# Allegro board LED_FIN.brd (continued)
## Nets (continued)
COL_OUT_C4: D12566.1(CATHODE) D12596.1(CATHODE) D12626.1(CATHODE) D12656.1(CATHODE) D12686.1(CATHODE) D12716.1(CATHODE) D12746.1(CATHODE) D12776.1(CATHODE) D12806.1(CATHODE) D12836.1(CATHODE) D12866.1(CATHODE) D12896.1(CATHODE) D12926.1(CATHODE) D12956.1(CATHODE) D12986.1(CATHODE) D13016.1(CATHODE) D13046.1(CATHODE) D13076.1(CATHODE) D13106.1(CATHODE) D13136.1(CATHODE) D13166.1(CATHODE) D13196.1(CATHODE) D13226.1(CATHODE) D13256.1(CATHODE) D13286.1(CATHODE) D13316.1(CATHODE) D13346.1(CATHODE) D13376.1(CATHODE) D13406.1(CATHODE) D13436.1(CATHODE) D13466.1(CATHODE) D13496.1(CATHODE) D13526.1(CATHODE) D13556.1(CATHODE) D13586.1(CATHODE) D13616.1(CATHODE) D13646.1(CATHODE) D13676.1(CATHODE) R356.1
COL_OUT_C5: D12565.1(CATHODE) D12595.1(CATHODE) D12625.1(CATHODE) D12655.1(CATHODE) D12685.1(CATHODE) D12715.1(CATHODE) D12745.1(CATHODE) D12775.1(CATHODE) D12805.1(CATHODE) D12835.1(CATHODE) D12865.1(CATHODE) D12895.1(CATHODE) D12925.1(CATHODE) D12955.1(CATHODE) D12985.1(CATHODE) D13015.1(CATHODE) D13045.1(CATHODE) D13075.1(CATHODE) D13105.1(CATHODE) D13135.1(CATHODE) D13165.1(CATHODE) D13195.1(CATHODE) D13225.1(CATHODE) D13255.1(CATHODE) D13285.1(CATHODE) D13315.1(CATHODE) D13345.1(CATHODE) D13375.1(CATHODE) D13405.1(CATHODE) D13435.1(CATHODE) D13465.1(CATHODE) D13495.1(CATHODE) D13525.1(CATHODE) D13555.1(CATHODE) D13585.1(CATHODE) D13615.1(CATHODE) D13645.1(CATHODE) D13675.1(CATHODE) R355.1
COL_OUT_C6: D12564.1(CATHODE) D12594.1(CATHODE) D12624.1(CATHODE) D12654.1(CATHODE) D12684.1(CATHODE) D12714.1(CATHODE) D12744.1(CATHODE) D12774.1(CATHODE) D12804.1(CATHODE) D12834.1(CATHODE) D12864.1(CATHODE) D12894.1(CATHODE) D12924.1(CATHODE) D12954.1(CATHODE) D12984.1(CATHODE) D13014.1(CATHODE) D13044.1(CATHODE) D13074.1(CATHODE) D13104.1(CATHODE) D13134.1(CATHODE) D13164.1(CATHODE) D13194.1(CATHODE) D13224.1(CATHODE) D13254.1(CATHODE) D13284.1(CATHODE) D13314.1(CATHODE) D13344.1(CATHODE) D13374.1(CATHODE) D13404.1(CATHODE) D13434.1(CATHODE) D13464.1(CATHODE) D13494.1(CATHODE) D13524.1(CATHODE) D13554.1(CATHODE) D13584.1(CATHODE) D13614.1(CATHODE) D13644.1(CATHODE) D13674.1(CATHODE) R354.1
COL_OUT_C7: D12563.1(CATHODE) D12593.1(CATHODE) D12623.1(CATHODE) D12653.1(CATHODE) D12683.1(CATHODE) D12713.1(CATHODE) D12743.1(CATHODE) D12773.1(CATHODE) D12803.1(CATHODE) D12833.1(CATHODE) D12863.1(CATHODE) D12893.1(CATHODE) D12923.1(CATHODE) D12953.1(CATHODE) D12983.1(CATHODE) D13013.1(CATHODE) D13043.1(CATHODE) D13073.1(CATHODE) D13103.1(CATHODE) D13133.1(CATHODE) D13163.1(CATHODE) D13193.1(CATHODE) D13223.1(CATHODE) D13253.1(CATHODE) D13283.1(CATHODE) D13313.1(CATHODE) D13343.1(CATHODE) D13373.1(CATHODE) D13403.1(CATHODE) D13433.1(CATHODE) D13463.1(CATHODE) D13493.1(CATHODE) D13523.1(CATHODE) D13553.1(CATHODE) D13583.1(CATHODE) D13613.1(CATHODE) D13643.1(CATHODE) D13673.1(CATHODE) R353.1
COL_OUT_C8: D12562.1(CATHODE) D12592.1(CATHODE) D12622.1(CATHODE) D12652.1(CATHODE) D12682.1(CATHODE) D12712.1(CATHODE) D12742.1(CATHODE) D12772.1(CATHODE) D12802.1(CATHODE) D12832.1(CATHODE) D12862.1(CATHODE) D12892.1(CATHODE) D12922.1(CATHODE) D12952.1(CATHODE) D12982.1(CATHODE) D13012.1(CATHODE) D13042.1(CATHODE) D13072.1(CATHODE) D13102.1(CATHODE) D13132.1(CATHODE) D13162.1(CATHODE) D13192.1(CATHODE) D13222.1(CATHODE) D13252.1(CATHODE) D13282.1(CATHODE) D13312.1(CATHODE) D13342.1(CATHODE) D13372.1(CATHODE) D13402.1(CATHODE) D13432.1(CATHODE) D13462.1(CATHODE) D13492.1(CATHODE) D13522.1(CATHODE) D13552.1(CATHODE) D13582.1(CATHODE) D13612.1(CATHODE) D13642.1(CATHODE) D13672.1(CATHODE) R352.1
COL_OUT_C9: D12561.1(CATHODE) D12591.1(CATHODE) D12621.1(CATHODE) D12651.1(CATHODE) D12681.1(CATHODE) D12711.1(CATHODE) D12741.1(CATHODE) D12771.1(CATHODE) D12801.1(CATHODE) D12831.1(CATHODE) D12861.1(CATHODE) D12891.1(CATHODE) D12921.1(CATHODE) D12951.1(CATHODE) D12981.1(CATHODE) D13011.1(CATHODE) D13041.1(CATHODE) D13071.1(CATHODE) D13101.1(CATHODE) D13131.1(CATHODE) D13161.1(CATHODE) D13191.1(CATHODE) D13221.1(CATHODE) D13251.1(CATHODE) D13281.1(CATHODE) D13311.1(CATHODE) D13341.1(CATHODE) D13371.1(CATHODE) D13401.1(CATHODE) D13431.1(CATHODE) D13461.1(CATHODE) D13491.1(CATHODE) D13521.1(CATHODE) D13551.1(CATHODE) D13581.1(CATHODE) D13611.1(CATHODE) D13641.1(CATHODE) D13671.1(CATHODE) R351.1
COL_OUT_C10: D12560.1(CATHODE) D12590.1(CATHODE) D12620.1(CATHODE) D12650.1(CATHODE) D12680.1(CATHODE) D12710.1(CATHODE) D12740.1(CATHODE) D12770.1(CATHODE) D12800.1(CATHODE) D12830.1(CATHODE) D12860.1(CATHODE) D12890.1(CATHODE) D12920.1(CATHODE) D12950.1(CATHODE) D12980.1(CATHODE) D13010.1(CATHODE) D13040.1(CATHODE) D13070.1(CATHODE) D13100.1(CATHODE) D13130.1(CATHODE) D13160.1(CATHODE) D13190.1(CATHODE) D13220.1(CATHODE) D13250.1(CATHODE) D13280.1(CATHODE) D13310.1(CATHODE) D13340.1(CATHODE) D13370.1(CATHODE) D13400.1(CATHODE) D13430.1(CATHODE) D13460.1(CATHODE) D13490.1(CATHODE) D13520.1(CATHODE) D13550.1(CATHODE) D13580.1(CATHODE) D13610.1(CATHODE) D13640.1(CATHODE) D13670.1(CATHODE) R350.1
COL_OUT_C11: D12559.1(CATHODE) D12589.1(CATHODE) D12619.1(CATHODE) D12649.1(CATHODE) D12679.1(CATHODE) D12709.1(CATHODE) D12739.1(CATHODE) D12769.1(CATHODE) D12799.1(CATHODE) D12829.1(CATHODE) D12859.1(CATHODE) D12889.1(CATHODE) D12919.1(CATHODE) D12949.1(CATHODE) D12979.1(CATHODE) D13009.1(CATHODE) D13039.1(CATHODE) D13069.1(CATHODE) D13099.1(CATHODE) D13129.1(CATHODE) D13159.1(CATHODE) D13189.1(CATHODE) D13219.1(CATHODE) D13249.1(CATHODE) D13279.1(CATHODE) D13309.1(CATHODE) D13339.1(CATHODE) D13369.1(CATHODE) D13399.1(CATHODE) D13429.1(CATHODE) D13459.1(CATHODE) D13489.1(CATHODE) D13519.1(CATHODE) D13549.1(CATHODE) D13579.1(CATHODE) D13609.1(CATHODE) D13639.1(CATHODE) D13669.1(CATHODE) R349.1
COL_OUT_C12: D12558.1(CATHODE) D12588.1(CATHODE) D12618.1(CATHODE) D12648.1(CATHODE) D12678.1(CATHODE) D12708.1(CATHODE) D12738.1(CATHODE) D12768.1(CATHODE) D12798.1(CATHODE) D12828.1(CATHODE) D12858.1(CATHODE) D12888.1(CATHODE) D12918.1(CATHODE) D12948.1(CATHODE) D12978.1(CATHODE) D13008.1(CATHODE) D13038.1(CATHODE) D13068.1(CATHODE) D13098.1(CATHODE) D13128.1(CATHODE) D13158.1(CATHODE) D13188.1(CATHODE) D13218.1(CATHODE) D13248.1(CATHODE) D13278.1(CATHODE) D13308.1(CATHODE) D13338.1(CATHODE) D13368.1(CATHODE) D13398.1(CATHODE) D13428.1(CATHODE) D13458.1(CATHODE) D13488.1(CATHODE) D13518.1(CATHODE) D13548.1(CATHODE) D13578.1(CATHODE) D13608.1(CATHODE) D13638.1(CATHODE) D13668.1(CATHODE) R348.1
COL_OUT_C13: D12557.1(CATHODE) D12587.1(CATHODE) D12617.1(CATHODE) D12647.1(CATHODE) D12677.1(CATHODE) D12707.1(CATHODE) D12737.1(CATHODE) D12767.1(CATHODE) D12797.1(CATHODE) D12827.1(CATHODE) D12857.1(CATHODE) D12887.1(CATHODE) D12917.1(CATHODE) D12947.1(CATHODE) D12977.1(CATHODE) D13007.1(CATHODE) D13037.1(CATHODE) D13067.1(CATHODE) D13097.1(CATHODE) D13127.1(CATHODE) D13157.1(CATHODE) D13187.1(CATHODE) D13217.1(CATHODE) D13247.1(CATHODE) D13277.1(CATHODE) D13307.1(CATHODE) D13337.1(CATHODE) D13367.1(CATHODE) D13397.1(CATHODE) D13427.1(CATHODE) D13457.1(CATHODE) D13487.1(CATHODE) D13517.1(CATHODE) D13547.1(CATHODE) D13577.1(CATHODE) D13607.1(CATHODE) D13637.1(CATHODE) D13667.1(CATHODE) R347.1
COL_OUT_C14: D12556.1(CATHODE) D12586.1(CATHODE) D12616.1(CATHODE) D12646.1(CATHODE) D12676.1(CATHODE) D12706.1(CATHODE) D12736.1(CATHODE) D12766.1(CATHODE) D12796.1(CATHODE) D12826.1(CATHODE) D12856.1(CATHODE) D12886.1(CATHODE) D12916.1(CATHODE) D12946.1(CATHODE) D12976.1(CATHODE) D13006.1(CATHODE) D13036.1(CATHODE) D13066.1(CATHODE) D13096.1(CATHODE) D13126.1(CATHODE) D13156.1(CATHODE) D13186.1(CATHODE) D13216.1(CATHODE) D13246.1(CATHODE) D13276.1(CATHODE) D13306.1(CATHODE) D13336.1(CATHODE) D13366.1(CATHODE) D13396.1(CATHODE) D13426.1(CATHODE) D13456.1(CATHODE) D13486.1(CATHODE) D13516.1(CATHODE) D13546.1(CATHODE) D13576.1(CATHODE) D13606.1(CATHODE) D13636.1(CATHODE) D13666.1(CATHODE) R346.1
COL_OUT_C15: D12555.1(CATHODE) D12585.1(CATHODE) D12615.1(CATHODE) D12645.1(CATHODE) D12675.1(CATHODE) D12705.1(CATHODE) D12735.1(CATHODE) D12765.1(CATHODE) D12795.1(CATHODE) D12825.1(CATHODE) D12855.1(CATHODE) D12885.1(CATHODE) D12915.1(CATHODE) D12945.1(CATHODE) D12975.1(CATHODE) D13005.1(CATHODE) D13035.1(CATHODE) D13065.1(CATHODE) D13095.1(CATHODE) D13125.1(CATHODE) D13155.1(CATHODE) D13185.1(CATHODE) D13215.1(CATHODE) D13245.1(CATHODE) D13275.1(CATHODE) D13305.1(CATHODE) D13335.1(CATHODE) D13365.1(CATHODE) D13395.1(CATHODE) D13425.1(CATHODE) D13455.1(CATHODE) D13485.1(CATHODE) D13515.1(CATHODE) D13545.1(CATHODE) D13575.1(CATHODE) D13605.1(CATHODE) D13635.1(CATHODE) D13665.1(CATHODE) R345.1
COL_OUT_C16: D12554.1(CATHODE) D12584.1(CATHODE) D12614.1(CATHODE) D12644.1(CATHODE) D12674.1(CATHODE) D12704.1(CATHODE) D12734.1(CATHODE) D12764.1(CATHODE) D12794.1(CATHODE) D12824.1(CATHODE) D12854.1(CATHODE) D12884.1(CATHODE) D12914.1(CATHODE) D12944.1(CATHODE) D12974.1(CATHODE) D13004.1(CATHODE) D13034.1(CATHODE) D13064.1(CATHODE) D13094.1(CATHODE) D13124.1(CATHODE) D13154.1(CATHODE) D13184.1(CATHODE) D13214.1(CATHODE) D13244.1(CATHODE) D13274.1(CATHODE) D13304.1(CATHODE) D13334.1(CATHODE) D13364.1(CATHODE) D13394.1(CATHODE) D13424.1(CATHODE) D13454.1(CATHODE) D13484.1(CATHODE) D13514.1(CATHODE) D13544.1(CATHODE) D13574.1(CATHODE) D13604.1(CATHODE) D13634.1(CATHODE) D13664.1(CATHODE) R344.1
COL_OUT_C17: D12553.1(CATHODE) D12583.1(CATHODE) D12613.1(CATHODE) D12643.1(CATHODE) D12673.1(CATHODE) D12703.1(CATHODE) D12733.1(CATHODE) D12763.1(CATHODE) D12793.1(CATHODE) D12823.1(CATHODE) D12853.1(CATHODE) D12883.1(CATHODE) D12913.1(CATHODE) D12943.1(CATHODE) D12973.1(CATHODE) D13003.1(CATHODE) D13033.1(CATHODE) D13063.1(CATHODE) D13093.1(CATHODE) D13123.1(CATHODE) D13153.1(CATHODE) D13183.1(CATHODE) D13213.1(CATHODE) D13243.1(CATHODE) D13273.1(CATHODE) D13303.1(CATHODE) D13333.1(CATHODE) D13363.1(CATHODE) D13393.1(CATHODE) D13423.1(CATHODE) D13453.1(CATHODE) D13483.1(CATHODE) D13513.1(CATHODE) D13543.1(CATHODE) D13573.1(CATHODE) D13603.1(CATHODE) D13633.1(CATHODE) D13663.1(CATHODE) R343.1
COL_OUT_C18: D12552.1(CATHODE) D12582.1(CATHODE) D12612.1(CATHODE) D12642.1(CATHODE) D12672.1(CATHODE) D12702.1(CATHODE) D12732.1(CATHODE) D12762.1(CATHODE) D12792.1(CATHODE) D12822.1(CATHODE) D12852.1(CATHODE) D12882.1(CATHODE) D12912.1(CATHODE) D12942.1(CATHODE) D12972.1(CATHODE) D13002.1(CATHODE) D13032.1(CATHODE) D13062.1(CATHODE) D13092.1(CATHODE) D13122.1(CATHODE) D13152.1(CATHODE) D13182.1(CATHODE) D13212.1(CATHODE) D13242.1(CATHODE) D13272.1(CATHODE) D13302.1(CATHODE) D13332.1(CATHODE) D13362.1(CATHODE) D13392.1(CATHODE) D13422.1(CATHODE) D13452.1(CATHODE) D13482.1(CATHODE) D13512.1(CATHODE) D13542.1(CATHODE) D13572.1(CATHODE) D13602.1(CATHODE) D13632.1(CATHODE) D13662.1(CATHODE) R342.1
COL_OUT_C19: D12551.1(CATHODE) D12581.1(CATHODE) D12611.1(CATHODE) D12641.1(CATHODE) D12671.1(CATHODE) D12701.1(CATHODE) D12731.1(CATHODE) D12761.1(CATHODE) D12791.1(CATHODE) D12821.1(CATHODE) D12851.1(CATHODE) D12881.1(CATHODE) D12911.1(CATHODE) D12941.1(CATHODE) D12971.1(CATHODE) D13001.1(CATHODE) D13031.1(CATHODE) D13061.1(CATHODE) D13091.1(CATHODE) D13121.1(CATHODE) D13151.1(CATHODE) D13181.1(CATHODE) D13211.1(CATHODE) D13241.1(CATHODE) D13271.1(CATHODE) D13301.1(CATHODE) D13331.1(CATHODE) D13361.1(CATHODE) D13391.1(CATHODE) D13421.1(CATHODE) D13451.1(CATHODE) D13481.1(CATHODE) D13511.1(CATHODE) D13541.1(CATHODE) D13571.1(CATHODE) D13601.1(CATHODE) D13631.1(CATHODE) D13661.1(CATHODE) R341.1
COL_OUT_C20: D12550.1(CATHODE) D12580.1(CATHODE) D12610.1(CATHODE) D12640.1(CATHODE) D12670.1(CATHODE) D12700.1(CATHODE) D12730.1(CATHODE) D12760.1(CATHODE) D12790.1(CATHODE) D12820.1(CATHODE) D12850.1(CATHODE) D12880.1(CATHODE) D12910.1(CATHODE) D12940.1(CATHODE) D12970.1(CATHODE) D13000.1(CATHODE) D13030.1(CATHODE) D13060.1(CATHODE) D13090.1(CATHODE) D13120.1(CATHODE) D13150.1(CATHODE) D13180.1(CATHODE) D13210.1(CATHODE) D13240.1(CATHODE) D13270.1(CATHODE) D13300.1(CATHODE) D13330.1(CATHODE) D13360.1(CATHODE) D13390.1(CATHODE) D13420.1(CATHODE) D13450.1(CATHODE) D13480.1(CATHODE) D13510.1(CATHODE) D13540.1(CATHODE) D13570.1(CATHODE) D13600.1(CATHODE) D13630.1(CATHODE) D13660.1(CATHODE) R340.1
COL_OUT_C21: D12549.1(CATHODE) D12579.1(CATHODE) D12609.1(CATHODE) D12639.1(CATHODE) D12669.1(CATHODE) D12699.1(CATHODE) D12729.1(CATHODE) D12759.1(CATHODE) D12789.1(CATHODE) D12819.1(CATHODE) D12849.1(CATHODE) D12879.1(CATHODE) D12909.1(CATHODE) D12939.1(CATHODE) D12969.1(CATHODE) D12999.1(CATHODE) D13029.1(CATHODE) D13059.1(CATHODE) D13089.1(CATHODE) D13119.1(CATHODE) D13149.1(CATHODE) D13179.1(CATHODE) D13209.1(CATHODE) D13239.1(CATHODE) D13269.1(CATHODE) D13299.1(CATHODE) D13329.1(CATHODE) D13359.1(CATHODE) D13389.1(CATHODE) D13419.1(CATHODE) D13449.1(CATHODE) D13479.1(CATHODE) D13509.1(CATHODE) D13539.1(CATHODE) D13569.1(CATHODE) D13599.1(CATHODE) D13629.1(CATHODE) D13659.1(CATHODE) R339.1
COL_OUT_C22: D12548.1(CATHODE) D12578.1(CATHODE) D12608.1(CATHODE) D12638.1(CATHODE) D12668.1(CATHODE) D12698.1(CATHODE) D12728.1(CATHODE) D12758.1(CATHODE) D12788.1(CATHODE) D12818.1(CATHODE) D12848.1(CATHODE) D12878.1(CATHODE) D12908.1(CATHODE) D12938.1(CATHODE) D12968.1(CATHODE) D12998.1(CATHODE) D13028.1(CATHODE) D13058.1(CATHODE) D13088.1(CATHODE) D13118.1(CATHODE) D13148.1(CATHODE) D13178.1(CATHODE) D13208.1(CATHODE) D13238.1(CATHODE) D13268.1(CATHODE) D13298.1(CATHODE) D13328.1(CATHODE) D13358.1(CATHODE) D13388.1(CATHODE) D13418.1(CATHODE) D13448.1(CATHODE) D13478.1(CATHODE) D13508.1(CATHODE) D13538.1(CATHODE) D13568.1(CATHODE) D13598.1(CATHODE) D13628.1(CATHODE) D13658.1(CATHODE) R338.1
COL_OUT_C23: D12547.1(CATHODE) D12577.1(CATHODE) D12607.1(CATHODE) D12637.1(CATHODE) D12667.1(CATHODE) D12697.1(CATHODE) D12727.1(CATHODE) D12757.1(CATHODE) D12787.1(CATHODE) D12817.1(CATHODE) D12847.1(CATHODE) D12877.1(CATHODE) D12907.1(CATHODE) D12937.1(CATHODE) D12967.1(CATHODE) D12997.1(CATHODE) D13027.1(CATHODE) D13057.1(CATHODE) D13087.1(CATHODE) D13117.1(CATHODE) D13147.1(CATHODE) D13177.1(CATHODE) D13207.1(CATHODE) D13237.1(CATHODE) D13267.1(CATHODE) D13297.1(CATHODE) D13327.1(CATHODE) D13357.1(CATHODE) D13387.1(CATHODE) D13417.1(CATHODE) D13447.1(CATHODE) D13477.1(CATHODE) D13507.1(CATHODE) D13537.1(CATHODE) D13567.1(CATHODE) D13597.1(CATHODE) D13627.1(CATHODE) D13657.1(CATHODE) R337.1
COL_OUT_C24: D12546.1(CATHODE) D12576.1(CATHODE) D12606.1(CATHODE) D12636.1(CATHODE) D12666.1(CATHODE) D12696.1(CATHODE) D12726.1(CATHODE) D12756.1(CATHODE) D12786.1(CATHODE) D12816.1(CATHODE) D12846.1(CATHODE) D12876.1(CATHODE) D12906.1(CATHODE) D12936.1(CATHODE) D12966.1(CATHODE) D12996.1(CATHODE) D13026.1(CATHODE) D13056.1(CATHODE) D13086.1(CATHODE) D13116.1(CATHODE) D13146.1(CATHODE) D13176.1(CATHODE) D13206.1(CATHODE) D13236.1(CATHODE) D13266.1(CATHODE) D13296.1(CATHODE) D13326.1(CATHODE) D13356.1(CATHODE) D13386.1(CATHODE) D13416.1(CATHODE) D13446.1(CATHODE) D13476.1(CATHODE) D13506.1(CATHODE) D13536.1(CATHODE) D13566.1(CATHODE) D13596.1(CATHODE) D13626.1(CATHODE) D13656.1(CATHODE) R336.1
COL_OUT_C25: D12545.1(CATHODE) D12575.1(CATHODE) D12605.1(CATHODE) D12635.1(CATHODE) D12665.1(CATHODE) D12695.1(CATHODE) D12725.1(CATHODE) D12755.1(CATHODE) D12785.1(CATHODE) D12815.1(CATHODE) D12845.1(CATHODE) D12875.1(CATHODE) D12905.1(CATHODE) D12935.1(CATHODE) D12965.1(CATHODE) D12995.1(CATHODE) D13025.1(CATHODE) D13055.1(CATHODE) D13085.1(CATHODE) D13115.1(CATHODE) D13145.1(CATHODE) D13175.1(CATHODE) D13205.1(CATHODE) D13235.1(CATHODE) D13265.1(CATHODE) D13295.1(CATHODE) D13325.1(CATHODE) D13355.1(CATHODE) D13385.1(CATHODE) D13415.1(CATHODE) D13445.1(CATHODE) D13475.1(CATHODE) D13505.1(CATHODE) D13535.1(CATHODE) D13565.1(CATHODE) D13595.1(CATHODE) D13625.1(CATHODE) D13655.1(CATHODE) R335.1
COL_OUT_C26: D12544.1(CATHODE) D12574.1(CATHODE) D12604.1(CATHODE) D12634.1(CATHODE) D12664.1(CATHODE) D12694.1(CATHODE) D12724.1(CATHODE) D12754.1(CATHODE) D12784.1(CATHODE) D12814.1(CATHODE) D12844.1(CATHODE) D12874.1(CATHODE) D12904.1(CATHODE) D12934.1(CATHODE) D12964.1(CATHODE) D12994.1(CATHODE) D13024.1(CATHODE) D13054.1(CATHODE) D13084.1(CATHODE) D13114.1(CATHODE) D13144.1(CATHODE) D13174.1(CATHODE) D13204.1(CATHODE) D13234.1(CATHODE) D13264.1(CATHODE) D13294.1(CATHODE) D13324.1(CATHODE) D13354.1(CATHODE) D13384.1(CATHODE) D13414.1(CATHODE) D13444.1(CATHODE) D13474.1(CATHODE) D13504.1(CATHODE) D13534.1(CATHODE) D13564.1(CATHODE) D13594.1(CATHODE) D13624.1(CATHODE) D13654.1(CATHODE) R334.1
COL_OUT_C27: D12543.1(CATHODE) D12573.1(CATHODE) D12603.1(CATHODE) D12633.1(CATHODE) D12663.1(CATHODE) D12693.1(CATHODE) D12723.1(CATHODE) D12753.1(CATHODE) D12783.1(CATHODE) D12813.1(CATHODE) D12843.1(CATHODE) D12873.1(CATHODE) D12903.1(CATHODE) D12933.1(CATHODE) D12963.1(CATHODE) D12993.1(CATHODE) D13023.1(CATHODE) D13053.1(CATHODE) D13083.1(CATHODE) D13113.1(CATHODE) D13143.1(CATHODE) D13173.1(CATHODE) D13203.1(CATHODE) D13233.1(CATHODE) D13263.1(CATHODE) D13293.1(CATHODE) D13323.1(CATHODE) D13353.1(CATHODE) D13383.1(CATHODE) D13413.1(CATHODE) D13443.1(CATHODE) D13473.1(CATHODE) D13503.1(CATHODE) D13533.1(CATHODE) D13563.1(CATHODE) D13593.1(CATHODE) D13623.1(CATHODE) D13653.1(CATHODE) R333.1
COL_OUT_C28: D12542.1(CATHODE) D12572.1(CATHODE) D12602.1(CATHODE) D12632.1(CATHODE) D12662.1(CATHODE) D12692.1(CATHODE) D12722.1(CATHODE) D12752.1(CATHODE) D12782.1(CATHODE) D12812.1(CATHODE) D12842.1(CATHODE) D12872.1(CATHODE) D12902.1(CATHODE) D12932.1(CATHODE) D12962.1(CATHODE) D12992.1(CATHODE) D13022.1(CATHODE) D13052.1(CATHODE) D13082.1(CATHODE) D13112.1(CATHODE) D13142.1(CATHODE) D13172.1(CATHODE) D13202.1(CATHODE) D13232.1(CATHODE) D13262.1(CATHODE) D13292.1(CATHODE) D13322.1(CATHODE) D13352.1(CATHODE) D13382.1(CATHODE) D13412.1(CATHODE) D13442.1(CATHODE) D13472.1(CATHODE) D13502.1(CATHODE) D13532.1(CATHODE) D13562.1(CATHODE) D13592.1(CATHODE) D13622.1(CATHODE) D13652.1(CATHODE) R332.1
COL_OUT_C29: D12541.1(CATHODE) D12571.1(CATHODE) D12601.1(CATHODE) D12631.1(CATHODE) D12661.1(CATHODE) D12691.1(CATHODE) D12721.1(CATHODE) D12751.1(CATHODE) D12781.1(CATHODE) D12811.1(CATHODE) D12841.1(CATHODE) D12871.1(CATHODE) D12901.1(CATHODE) D12931.1(CATHODE) D12961.1(CATHODE) D12991.1(CATHODE) D13021.1(CATHODE) D13051.1(CATHODE) D13081.1(CATHODE) D13111.1(CATHODE) D13141.1(CATHODE) D13171.1(CATHODE) D13201.1(CATHODE) D13231.1(CATHODE) D13261.1(CATHODE) D13291.1(CATHODE) D13321.1(CATHODE) D13351.1(CATHODE) D13381.1(CATHODE) D13411.1(CATHODE) D13441.1(CATHODE) D13471.1(CATHODE) D13501.1(CATHODE) D13531.1(CATHODE) D13561.1(CATHODE) D13591.1(CATHODE) D13621.1(CATHODE) D13651.1(CATHODE) R331.1
COL_OUT_C30: D11430.1(CATHODE) D11460.1(CATHODE) D11490.1(CATHODE) D11520.1(CATHODE) D11550.1(CATHODE) D11580.1(CATHODE) D11610.1(CATHODE) D11640.1(CATHODE) D11670.1(CATHODE) D11700.1(CATHODE) D11730.1(CATHODE) D11760.1(CATHODE) D11790.1(CATHODE) D11820.1(CATHODE) D11850.1(CATHODE) D11880.1(CATHODE) D11910.1(CATHODE) D11940.1(CATHODE) D11970.1(CATHODE) D12000.1(CATHODE) D12030.1(CATHODE) D12060.1(CATHODE) D12090.1(CATHODE) D12120.1(CATHODE) D12150.1(CATHODE) D12180.1(CATHODE) D12210.1(CATHODE) D12240.1(CATHODE) D12270.1(CATHODE) D12300.1(CATHODE) D12330.1(CATHODE) D12360.1(CATHODE) D12390.1(CATHODE) D12420.1(CATHODE) D12450.1(CATHODE) D12480.1(CATHODE) D12510.1(CATHODE) D12540.1(CATHODE) R330.1
COL_OUT_C31: D11429.1(CATHODE) D11459.1(CATHODE) D11489.1(CATHODE) D11519.1(CATHODE) D11549.1(CATHODE) D11579.1(CATHODE) D11609.1(CATHODE) D11639.1(CATHODE) D11669.1(CATHODE) D11699.1(CATHODE) D11729.1(CATHODE) D11759.1(CATHODE) D11789.1(CATHODE) D11819.1(CATHODE) D11849.1(CATHODE) D11879.1(CATHODE) D11909.1(CATHODE) D11939.1(CATHODE) D11969.1(CATHODE) D11999.1(CATHODE) D12029.1(CATHODE) D12059.1(CATHODE) D12089.1(CATHODE) D12119.1(CATHODE) D12149.1(CATHODE) D12179.1(CATHODE) D12209.1(CATHODE) D12239.1(CATHODE) D12269.1(CATHODE) D12299.1(CATHODE) D12329.1(CATHODE) D12359.1(CATHODE) D12389.1(CATHODE) D12419.1(CATHODE) D12449.1(CATHODE) D12479.1(CATHODE) D12509.1(CATHODE) D12539.1(CATHODE) R329.1
COL_OUT_C32: D11428.1(CATHODE) D11458.1(CATHODE) D11488.1(CATHODE) D11518.1(CATHODE) D11548.1(CATHODE) D11578.1(CATHODE) D11608.1(CATHODE) D11638.1(CATHODE) D11668.1(CATHODE) D11698.1(CATHODE) D11728.1(CATHODE) D11758.1(CATHODE) D11788.1(CATHODE) D11818.1(CATHODE) D11848.1(CATHODE) D11878.1(CATHODE) D11908.1(CATHODE) D11938.1(CATHODE) D11968.1(CATHODE) D11998.1(CATHODE) D12028.1(CATHODE) D12058.1(CATHODE) D12088.1(CATHODE) D12118.1(CATHODE) D12148.1(CATHODE) D12178.1(CATHODE) D12208.1(CATHODE) D12238.1(CATHODE) D12268.1(CATHODE) D12298.1(CATHODE) D12328.1(CATHODE) D12358.1(CATHODE) D12388.1(CATHODE) D12418.1(CATHODE) D12448.1(CATHODE) D12478.1(CATHODE) D12508.1(CATHODE) D12538.1(CATHODE) R328.1
COL_OUT_C33: D11427.1(CATHODE) D11457.1(CATHODE) D11487.1(CATHODE) D11517.1(CATHODE) D11547.1(CATHODE) D11577.1(CATHODE) D11607.1(CATHODE) D11637.1(CATHODE) D11667.1(CATHODE) D11697.1(CATHODE) D11727.1(CATHODE) D11757.1(CATHODE) D11787.1(CATHODE) D11817.1(CATHODE) D11847.1(CATHODE) D11877.1(CATHODE) D11907.1(CATHODE) D11937.1(CATHODE) D11967.1(CATHODE) D11997.1(CATHODE) D12027.1(CATHODE) D12057.1(CATHODE) D12087.1(CATHODE) D12117.1(CATHODE) D12147.1(CATHODE) D12177.1(CATHODE) D12207.1(CATHODE) D12237.1(CATHODE) D12267.1(CATHODE) D12297.1(CATHODE) D12327.1(CATHODE) D12357.1(CATHODE) D12387.1(CATHODE) D12417.1(CATHODE) D12447.1(CATHODE) D12477.1(CATHODE) D12507.1(CATHODE) D12537.1(CATHODE) R327.1
COL_OUT_C34: D11426.1(CATHODE) D11456.1(CATHODE) D11486.1(CATHODE) D11516.1(CATHODE) D11546.1(CATHODE) D11576.1(CATHODE) D11606.1(CATHODE) D11636.1(CATHODE) D11666.1(CATHODE) D11696.1(CATHODE) D11726.1(CATHODE) D11756.1(CATHODE) D11786.1(CATHODE) D11816.1(CATHODE) D11846.1(CATHODE) D11876.1(CATHODE) D11906.1(CATHODE) D11936.1(CATHODE) D11966.1(CATHODE) D11996.1(CATHODE) D12026.1(CATHODE) D12056.1(CATHODE) D12086.1(CATHODE) D12116.1(CATHODE) D12146.1(CATHODE) D12176.1(CATHODE) D12206.1(CATHODE) D12236.1(CATHODE) D12266.1(CATHODE) D12296.1(CATHODE) D12326.1(CATHODE) D12356.1(CATHODE) D12386.1(CATHODE) D12416.1(CATHODE) D12446.1(CATHODE) D12476.1(CATHODE) D12506.1(CATHODE) D12536.1(CATHODE) R326.1
COL_OUT_C35: D11425.1(CATHODE) D11455.1(CATHODE) D11485.1(CATHODE) D11515.1(CATHODE) D11545.1(CATHODE) D11575.1(CATHODE) D11605.1(CATHODE) D11635.1(CATHODE) D11665.1(CATHODE) D11695.1(CATHODE) D11725.1(CATHODE) D11755.1(CATHODE) D11785.1(CATHODE) D11815.1(CATHODE) D11845.1(CATHODE) D11875.1(CATHODE) D11905.1(CATHODE) D11935.1(CATHODE) D11965.1(CATHODE) D11995.1(CATHODE) D12025.1(CATHODE) D12055.1(CATHODE) D12085.1(CATHODE) D12115.1(CATHODE) D12145.1(CATHODE) D12175.1(CATHODE) D12205.1(CATHODE) D12235.1(CATHODE) D12265.1(CATHODE) D12295.1(CATHODE) D12325.1(CATHODE) D12355.1(CATHODE) D12385.1(CATHODE) D12415.1(CATHODE) D12445.1(CATHODE) D12475.1(CATHODE) D12505.1(CATHODE) D12535.1(CATHODE) R325.1
COL_OUT_C36: D11424.1(CATHODE) D11454.1(CATHODE) D11484.1(CATHODE) D11514.1(CATHODE) D11544.1(CATHODE) D11574.1(CATHODE) D11604.1(CATHODE) D11634.1(CATHODE) D11664.1(CATHODE) D11694.1(CATHODE) D11724.1(CATHODE) D11754.1(CATHODE) D11784.1(CATHODE) D11814.1(CATHODE) D11844.1(CATHODE) D11874.1(CATHODE) D11904.1(CATHODE) D11934.1(CATHODE) D11964.1(CATHODE) D11994.1(CATHODE) D12024.1(CATHODE) D12054.1(CATHODE) D12084.1(CATHODE) D12114.1(CATHODE) D12144.1(CATHODE) D12174.1(CATHODE) D12204.1(CATHODE) D12234.1(CATHODE) D12264.1(CATHODE) D12294.1(CATHODE) D12324.1(CATHODE) D12354.1(CATHODE) D12384.1(CATHODE) D12414.1(CATHODE) D12444.1(CATHODE) D12474.1(CATHODE) D12504.1(CATHODE) D12534.1(CATHODE) R324.1
COL_OUT_C37: D11423.1(CATHODE) D11453.1(CATHODE) D11483.1(CATHODE) D11513.1(CATHODE) D11543.1(CATHODE) D11573.1(CATHODE) D11603.1(CATHODE) D11633.1(CATHODE) D11663.1(CATHODE) D11693.1(CATHODE) D11723.1(CATHODE) D11753.1(CATHODE) D11783.1(CATHODE) D11813.1(CATHODE) D11843.1(CATHODE) D11873.1(CATHODE) D11903.1(CATHODE) D11933.1(CATHODE) D11963.1(CATHODE) D11993.1(CATHODE) D12023.1(CATHODE) D12053.1(CATHODE) D12083.1(CATHODE) D12113.1(CATHODE) D12143.1(CATHODE) D12173.1(CATHODE) D12203.1(CATHODE) D12233.1(CATHODE) D12263.1(CATHODE) D12293.1(CATHODE) D12323.1(CATHODE) D12353.1(CATHODE) D12383.1(CATHODE) D12413.1(CATHODE) D12443.1(CATHODE) D12473.1(CATHODE) D12503.1(CATHODE) D12533.1(CATHODE) R323.1
COL_OUT_C38: D11422.1(CATHODE) D11452.1(CATHODE) D11482.1(CATHODE) D11512.1(CATHODE) D11542.1(CATHODE) D11572.1(CATHODE) D11602.1(CATHODE) D11632.1(CATHODE) D11662.1(CATHODE) D11692.1(CATHODE) D11722.1(CATHODE) D11752.1(CATHODE) D11782.1(CATHODE) D11812.1(CATHODE) D11842.1(CATHODE) D11872.1(CATHODE) D11902.1(CATHODE) D11932.1(CATHODE) D11962.1(CATHODE) D11992.1(CATHODE) D12022.1(CATHODE) D12052.1(CATHODE) D12082.1(CATHODE) D12112.1(CATHODE) D12142.1(CATHODE) D12172.1(CATHODE) D12202.1(CATHODE) D12232.1(CATHODE) D12262.1(CATHODE) D12292.1(CATHODE) D12322.1(CATHODE) D12352.1(CATHODE) D12382.1(CATHODE) D12412.1(CATHODE) D12442.1(CATHODE) D12472.1(CATHODE) D12502.1(CATHODE) D12532.1(CATHODE) R322.1